# Altium PCB DevKitWRM1470-r1.2.PcbDoc (part 2 of 2)
Units mm, origin at the board's own origin, x right, y up, seen from the top; angles counter-clockwise.
Board outline 101.01 x 77.01 mm, 4 copper layers (Top Layer, GND, PWR, Bottom Layer), stack 1.572 mm thick; 154 components, 87 nets, 458 pads, 290 vias.
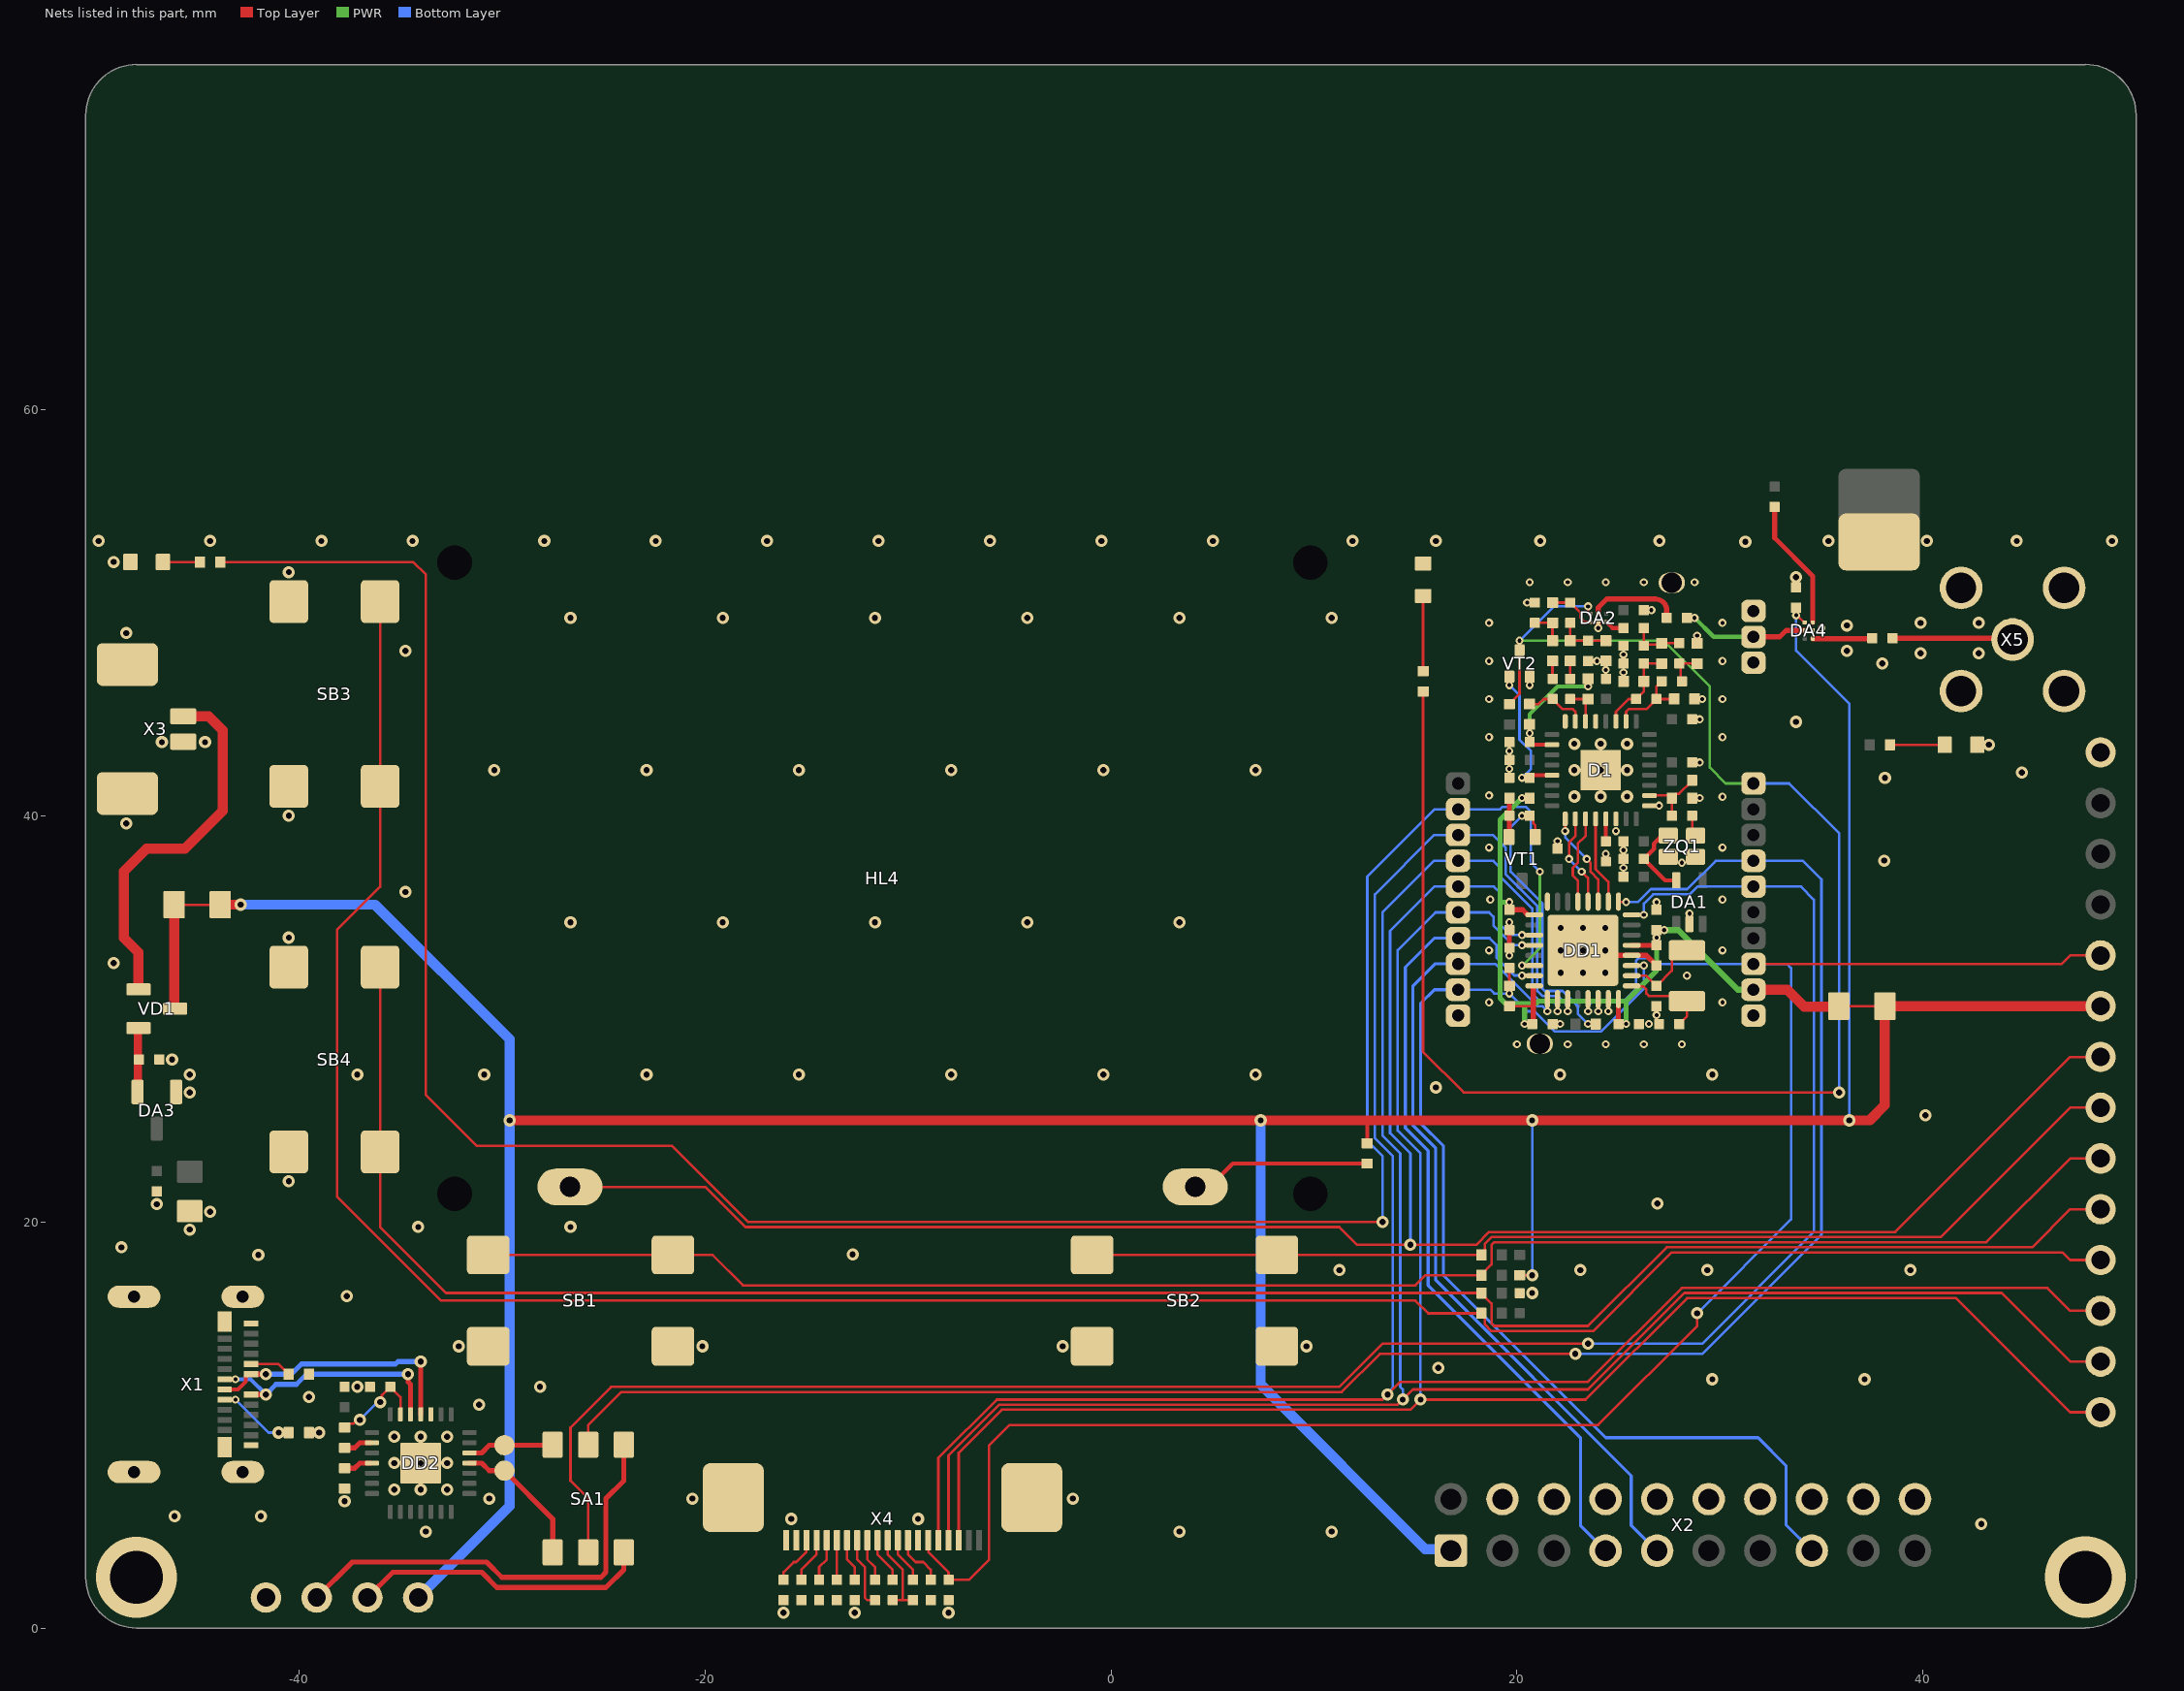
[diagram p4: the nets of this part, all layers, seen from the top]

## Via types
v1: diameter 0.6, hole 0.3, Top Layer to Bottom Layer, tented both sides, 173 vias
v2: diameter 0.4, hole 0.2, Top Layer to Bottom Layer, tented both sides, 113 vias
v3: diameter 4, hole 2.6, Top Layer to Bottom Layer, 4 vias

## Nets (pads, with @x,y where several pads share a name; then routed paths per layer and width w, separated by ;. In a path a pad name is that pad's centre, name@x,y a point inside that pad or via, vN(x,y) a via of type N, cw(c..) or ccw(c..) an arc to the next point about the centre after c; other vN are vias at no path point) (continued)
GND: C1.1 C2.1 C4.2 C5.1 C6.2 C7.1 C8.2 C9.1 C10.2 C11.1 C12.2 C13.1 C14.2 C15.1 C16.1 C17.1 C19.1 C20.2 C21.2 C24.1 C27.1 C28.1 C29.2 C34.1 C35.1 C36.2 C37.1 C38.1 C39.1 C40.1 C41.1 C45.1 C46.1 C47.1 C48.1 C49.1 C50.1 C52.1 D1.14 D1.17 D1.29 D1.32 D1.33 DA1.2 DA2.2 DA3.1 DA4.2 DD1.4 DD1.16 DD1.30 DD1.31 DD1.33 DD2.3 DD2.29 E1.1 HL1.2 HL2.2 HL3.2 L1.2 L2.1 L7.1 L10.1 NT1.2 R3.1 R4.2 R13.1 R19.2 SB1.3 SB1.4 SB2.3 SB2.4 SB3.3 SB3.4 SB4.3 SB4.4 VT2.2 X1.A1 X1.A12 X1.B1 X1.B12 X1.S1 X1.S2 X2.4 X2.6 X2.8 X2.10 X2.12 X2.14 X2.16 X2.18 X2.20 X3.2 X3.3 X4.7 X4.19 X4.20 X4.21 X5.2 XT10.1 XT11.1 XT21.1 XT23.1 XT27.1 XT28.1 ZQ1.1 ZQ1.2 | length 5.1
  Top Layer w0.25: C4.2@19.625,33.5 C14.2@19.625,34.375 ; v1(23.25,33.375) 23.5,33.125 DD1.4@25.65,33.125 26.375,33.125 C8.2@26.875,32.625 ; v2(24,49.25) DA2.2@24,49.55
  other v1: -16.125,0.75 -12.625,0.75 -8,0.75 -33.75,4.75 3.375,4.75 10.875,4.75 42.875,5.125 -15.75,5.375 -9.5,5.375 -46.125,5.5 -41.875,5.5 -37.75,6.25 -30.625,6.375 -20.625,6.375 -1.875,6.375 -35.3,6.825 -34,6.825 -32.7,6.825 -35.3,8.125 -34,8.125 -32.7,8.125 -35.3,9.425 -34,9.425 -32.7,9.425 -39,9.625 -31.125,11 -39.5,11.375 -37.125,11.875 -28.125,11.875 29.625,12.25 37.125,12.25 16.125,12.812 -32.125,13.875 -20.125,13.875 -2.375,13.875 9.625,13.875 -37.647,16.343 20.75,16.5 11.25,17.625 23.125,17.625 29.375,17.625 39.375,17.625 -42,18.375 -12.725,18.4 -48.75,18.75 -45.375,19.625 -34.125,19.75 -26.625,19.75 -44.375,20.5 -47,20.875 26.919,20.9 -40.5,22 40.125,25.25 -45.375,26.375 16,26.625 -45.375,27.25 -37.125,27.25 -30.875,27.25 -22.875,27.25 -15.375,27.25 -7.875,27.25 -0.375,27.25 7.125,27.25 22.125,27.25 29.625,27.25 -46.25,28 22.15,32.275 23.25,32.275 24.35,32.275 -49.125,32.75 22.15,33.375 24.35,33.375 -40.5,34 22.15,34.475 23.25,34.475 24.35,34.475 -26.625,34.75 -19.125,34.75 -11.625,34.75 -4.125,34.75 3.375,34.75 -34.75,36.25 38.091,37.795 -48.5,39.625 -40.5,40 22.825,40.95 24.125,40.95 25.425,40.95 38.125,41.875 44.875,42.125 -30.375,42.25 -22.875,42.25 -15.375,42.25 -7.875,42.25 -0.375,42.25 7.125,42.25 22.825,42.25 24.125,42.25 25.425,42.25 43.25,43.5 22.825,43.55 24.125,43.55 25.425,43.55 -46.75,43.625 -44.625,43.625 33.75,44.625 38,47.5 39.875,48 42.75,48 -34.75,48.125 36.25,48.125 -48.5,49 36.25,49.375 39.875,49.5 42.75,49.5 -26.625,49.75 -19.125,49.75 -11.625,49.75 -4.125,49.75 3.375,49.75 10.875,49.75 33.75,51.75 -40.5,52 -49.125,52.5 31.25,53.5 -49.871,53.534 -44.382,53.534 -38.893,53.534 -34.403,53.534 -27.914,53.534 -22.425,53.534 -16.936,53.534 -11.447,53.534 -5.958,53.534 -0.468,53.534 5.021,53.534 11.896,53.534 15.999,53.534 21.146,53.534 27.021,53.534 35.342,53.534 40.192,53.534 44.617,53.534 49.317,53.534
  other v2: 20,28.75 22.5,28.75 24.375,28.75 26.25,28.75 28.125,28.75 22.125,29.75 26.5,29.75 26.875,30.188 24,30.375 24.5,30.375 18.625,30.812 30.125,30.812 28.375,32.125 19.625,33.125 18.625,33.375 30.125,33.375 19.625,34.75 28.5,35.187 26.875,35.75 18.688,35.875 30.125,35.875 25.25,37.438 28.125,37.688 24.375,38.125 25.25,38.313 18.625,38.437 30.125,38.437 22,38.75 24.875,39.25 27,40.5 29,40.875 30.125,40.938 18.625,41 19.625,42.313 29,42.625 19.625,43.188 18.625,43.875 30.125,43.875 29,44.75 18.625,45.75 29.125,45.75 30.125,45.75 20.625,46.437 25.25,47.063 24.375,47.188 18.625,47.625 23.937,47.625 30.125,47.625 25.25,47.938 28.875,48.875 35,49.25 18.625,49.5 30.125,49.5 26.625,50.125 20.5,50.5 20.625,51.5 22.5,51.5 24.375,51.5 26.25,51.5 28.75,51.5
  other v3: -48,2.5 48,2.506
I2C1_SCL: DD1.19 HL4.K XT5.1 XT34.1 | length 105.6
  Top Layer w0.125: HL4.K@-26.65,21.725 -19.975,21.725 -18,19.75 11.25,19.75 12.125,18.875 v1(14.75,18.875) 18,18.875 18.625,19.5 38.625,19.5 47.25,28.125 XT34.1@48.75,28.125
  Bottom Layer w0.125: v1(14.75,18.875) 14.75,23.375 13.75,24.375 13.75,34.335 15.93,36.515 XT5.1@17.1,36.515 18.86,36.515 19.188,36.187 19.188,34.625 19.687,34.125 v2(20.25,34.125)
I2C1_SDA: DD1.20 X4.3 XT6.1 XT41.1 | length 96.4
  Top Layer w0.125: X4.3@-7.5,4.375 -7.5,8.625 -5.375,10.75 14.75,10.75 v1(15.25,11.25) 23.377,11.25 28.377,16.25 41.625,16.25 47.25,10.625 XT41.1@48.75,10.625
  Bottom Layer w0.125: v1(15.25,11.25) 15.25,23.375 14.125,24.5 14.125,33.38 15.99,35.245 XT6.1@17.1,35.245 18.63,35.245 18.839,35.036 18.839,34.599 19.812,33.625 v2(20.25,33.625)
LCD_MOSI: DD1.27 X4.5 XT3.1 XT39.1 | length 108
  Top Layer w0.125: X4.5@-8.5,4.325 -8.5,8.375 -5.625,11.25 13.375,11.25 v1(13.625,11.5) 14.25,12.125 23.5,12.125 28.125,16.75 46.125,16.75 47.25,15.625 XT39.1@48.75,15.625
  Bottom Layer w0.125: v1(13.625,11.5) 13.625,11.561 13.875,11.811 13.875,23.25 13,24.125 13,36.125 15.93,39.055 XT3.1@17.1,39.055 18.82,39.055 19.437,38.438 19.437,37.125 21,35.563 21,31.375 21.25,31.125 22,31.125 22.476,30.649 22.476,30.399 v2(22.5,30.375)
LCD_PWR: C48.2 DD1.29 X4.6 XT13.1 XT31.1 | length 96.6
  Top Layer w0.125: X4.6@-9,4.325 -9,3.75 -8,2.75 C48.2@-8,2.375 -7,2.375 -6,3.375 -6,9 -5,10 24,10 28.875,14.875 v1(28.875,15.5) ; XT13.1@31.65,32.705 46.83,32.705 47.25,33.125 XT31.1@48.75,33.125
  Bottom Layer w0.125: v2(23.5,30.375) 23.5,30.625 23.75,30.875 25.25,30.875 25.875,31.5 25.875,32.875 26,33 26.5,33 26.795,32.705 XT13.1@31.438,32.705 ; v1(28.875,15.5) 33.5,20.125 33.5,32.5 33.295,32.705 XT13.1@31.65,32.705
LCD_SCK: DD1.26 X4.4 XT4.1 XT40.1 | length 105.6
  Top Layer w0.125: X4.4@-8,4.375 -8,8.5 -5.5,11 14.125,11 v1(14.375,11.25) 14.875,11.75 23.5,11.75 28.25,16.5 43.875,16.5 47.25,13.125 XT40.1@48.75,13.125
  Bottom Layer w0.125: v1(14.375,11.25) 14.375,11.75 14.25,11.875 14.25,23.375 13.375,24.25 13.375,35.25 15.91,37.785 XT4.1@17.1,37.785 18.84,37.785 19.156,37.469 19.156,37.031 20.75,35.438 20.75,31.25 21.125,30.875 21.75,30.875 22,30.625 v2(22,30.375)
LDO_PA: C19.2 D1.2 L3.2 L4.1 | length 6.4
  Top Layer w0.2: L3.2@20.625,44.5 C19.2@20.625,43.625 20.75,43.5 D1.2@21.725,43.5
  PWR w0.2: v2(20.625,44.063) 20.625,45 22,46.375 v2(23.5,46.375)
LPUART1_RX: DD1.9 SA1.2 XT17.1 | length 94.1
  Top Layer w0.125: SA1.2@-25.75,9.025 -25.75,10 -24.125,11.625 11.375,11.625 ; 11.372,11.622 13.25,13.5 v1(22.875,13.5) ; DD1.9@25,35.775 25.025,35.75 v2(25.375,35.75)
  Bottom Layer w0.125: v1(22.875,13.5) 29.125,13.5 35,19.375 35,36.873 34.088,37.785 XT17.1@31.65,37.785 ; v2(25.375,35.75) 25.957,35.75 26.595,36.388 28.387,36.388 29.785,37.785 XT17.1@31.438,37.785
LPUART1_TX: DD1.8 SA1.5 XT16.1 | length 97.4
  Top Layer w0.125: SA1.5@-25.75,3.725 -25.75,6.375 -26.625,7.25 -26.625,9.875 -24.625,11.875 11.25,11.875 13.375,14 v1(23.5,14)
  Bottom Layer w0.125: v1(23.5,14) 29.125,14 34.625,19.5 34.625,35.875 34,36.5 ; v2(26.25,35.125) 26.25,35.673 26.714,36.138 28.512,36.138 28.89,36.515 XT16.1@31.438,36.515 ; XT16.1@31.65,36.515 34,36.515
NetC2_2: C2.2 DA1.5 ZQ1.4 | length 3.9
  Top Layer w0.2: ZQ1.4@27.45,39.025 27.15,39.025 26.75,38.625 26.75,38.375 C2.2@26.25,37.875 27.3,36.825 DA1.5@27.85,36.825
NetC3_1: C3.1 ZQ1.3 | length 1
  Top Layer w0.125: C3.1@28.625,40 28.637,39.988 28.637,39.188 ZQ1.3@28.8,39.025
NetC3_2: C3.2 D1.18 R2.1 R3.2 | length 3.4
  Top Layer w0.125: D1.18@26.5,41 27.5,41 R3.2@27.625,40.875 ; C3.2@27.625,40 R3.2@27.625,40.875 ; R2.1@28.625,41.75 28.625,41.725 27.988,41.088 27.812,41.088 27.625,40.9 R3.2@27.625,40.875
NetC15_2: C15.2 D1.13 | length 1.1
  Top Layer w0.2: C15.2@24.375,38.75 D1.13@24.375,39.85
NetC18_1: C18.1 C24.2 D1.27 L1.1 L6.1 | length 4.5
  Top Layer w0.125: D1.27@24.875,44.65 24.875,45.125 25.5,45.75 C18.1@25.875,45.75 26.25,46.125 L1.1@26.25,46.625 C24.2@26.25,47.5 L6.1@27.125,47.5
NetC18_2: C18.2 C23.1 D1.26 L2.2 | length 4.1
  Top Layer w0.125: D1.26@25.375,44.65 25.375,45.125 25.5,45.25 26.375,45.25 C18.2@26.875,45.75 ; C23.1@27.125,46.625 26.875,46.375 C18.2@26.875,45.75 ; L2.2@27.75,45.75 C18.2@26.875,45.75
NetC20_1: C20.1 DD1.1 ZQ2.1 | length 4.4
  Top Layer w0.125: DD1.1@25.65,31.625 25.671,31.604 26.221,31.604 26.375,31.45 26.375,31.25 26.5,31.125 28.125,31.125 ZQ2.1@28.375,30.875 28.375,30.125 C20.1@28,29.75
NetC21_1: C21.1 DD1.2 ZQ2.3 | length 4
  Top Layer w0.125: DD1.2@25.65,32.125 26.375,32.125 C21.1@26.875,31.625 27.625,32.375 27.625,32.942 28.058,33.375 ZQ2.3@28.375,33.375
NetC22_1: C22.1 D1.31 L3.1 | length 3.1
  Top Layer w0.125: L3.1@20.625,45.5 21.062,45.5 21.313,45.75 C22.1@21.75,45.75 22.25,45.25 22.75,45.25 22.875,45.125 D1.31@22.875,44.65
NetC22_2: C22.2 L5.1 | length 0.9
  Top Layer w0.125: C22.2@21.75,46.75 L5.1@21.75,47.625
NetC23_2: C23.2 C26.1 L7.2 | length 1.8
  Top Layer w0.125: C23.2@28.125,46.625 28.062,46.688 28.062,47.438 C26.1@28,47.5 L7.2@28.875,47.5
NetC25_1: C25.1 D1.30 L4.2 | length 2
  Top Layer w0.125: C25.1@22.625,45.75 L4.2@23.5,45.75 23.375,45.625 D1.30@23.375,44.65
NetC25_2: C25.2 L8.1 | length 0.9
  Top Layer w0.125: C25.2@22.625,46.75 L8.1@22.625,47.625
NetC26_2: C26.2 C28.2 C32.1 L6.2 | length 2.7
  Top Layer w0.125: C32.1@26.25,49.25 C28.2@26.25,48.375 26.306,48.431 27.056,48.431 L6.2@27.125,48.5 C26.2@28,48.5
NetC27_2: C27.2 L5.2 L9.1 | length 1.8
  Top Layer w0.125: C27.2@20.875,49.5 L9.1@21.75,49.5 L5.2@21.75,48.625
NetC29_1: C29.1 C30.1 L8.2 L10.2 | length 2.6
  Top Layer w0.125: C30.1@22.625,49.5 L8.2@22.625,48.625 C29.1@23.5,48.625 L10.2@24.375,48.625
NetC30_2: C30.2 DA2.1 L9.2 | length 2.4
  Top Layer w0.125: L9.2@21.75,50.5 C30.2@22.625,50.5 23.125,50 23.125,49.75 23.325,49.55 DA2.1@23.6,49.55
NetC31_1: C31.1 R5.2 VT1.1 | length 13.7
  Top Layer w0.125: C31.1@20.625,40 20.812,39.812 20.812,39.625 20.9,39.537 VT1.1@20.9,38.95
  Bottom Layer w0.125: v2(20.25,40) 19.687,39.438 19.687,37.25 21.25,35.688 21.25,31.5 21.375,31.375 22.25,31.375 23,30.625 23,30.25 v2(23.5,29.75)
NetC31_2: C31.2 R6.2 VT1.2 | length 1.9
  Top Layer w0.25: VT1.2@19.6,38.95 19.625,38.975 R6.2@19.625,40.875
NetC32_2: C32.2 DA2.3 | length 1
  Top Layer w0.2: DA2.3@24.4,49.55 24.7,49.25 C32.2@25.25,49.25
NetC33_1: C33.1 DA2.5 | length 4.5
  Top Layer w0.25: DA2.5@24,49.95 24,50.25 24.425,50.675 26.825,50.675 cw(c26.825,50.125) 27.375,50.125 C33.1@27.375,49.75
NetC33_2: C33.2 DA4.5 XT22.1 | length 5.9
  Top Layer w0.25: XT22.1@31.65,48.815 32.94,48.815 33.25,49.125 DA4.5@34.175,49.125
  PWR w0.2: v2(28.75,49.75) 29.685,48.815 XT22.1@31.65,48.815
NetC39_2: C39.2 DA3.2 VD1.2 | length 3.2
  Top Layer w0.4: DA3.2@-47.95,26.4 -47.925,26.425 -47.925,29.525 VD1.2@-47.9,29.55
NetC42_1: C42.1 C43.1 X4.10 | length 4.5
  Top Layer w0.125: X4.10@-11,4.325 -11,3.625 -10.25,2.875 -10.25,1.375 ; C43.1@-10.875,1.375 C43.1@-10.75,1.375 -10.25,1.375 ; C42.1@-9.625,1.375 C42.1@-9.75,1.375 -10.25,1.375
NetC42_2: C42.2 X4.9 | length 2.3
  Top Layer w0.125: X4.9@-10.5,4.325 -10.5,3.625 -9.75,2.875 C42.2@-9.75,2.375
NetC43_2: C43.2 X4.11 | length 2.3
  Top Layer w0.125: X4.11@-11.5,4.325 -11.5,3.625 -10.75,2.875 C43.2@-10.75,2.375
NetC44_1: C44.1 X4.12 | length 2.1
  Top Layer w0.125: X4.12@-12,4.325 -12,3.375 -11.625,3 C44.1@-11.625,2.375
NetC44_2: C44.2 X4.13 | length 3.5
  Top Layer w0.125: X4.13@-12.5,4.325 -12.5,3.375 -12.125,3 -12.125,1.5 -12,1.375 C44.2@-11.625,1.375
NetC45_2: C45.2 X4.18 | length 2.5
  Top Layer w0.125: C45.2@-16.125,2.375 -16.125,2.75 -15.625,3.25 -15.5,3.25 -15,3.75 X4.18@-15,4.325
NetC46_2: C46.2 X4.8 | length 2.6
  Top Layer w0.125: X4.8@-10,4.325 -10,3.625 -9.625,3.25 -9.25,3.25 -8.875,2.875 C46.2@-8.875,2.375
NetC47_2: C47.2 X4.17 | length 2.3
  Top Layer w0.125: C47.2@-15.25,2.375 -15.25,2.875 -14.5,3.625 X4.17@-14.5,4.275 ; X4.17@-14.525,4.3 X4.17@-14.5,4.275 ; X4.17@-14.5,4.325 X4.17@-14.5,4.275
NetC49_2: C49.2 X4.16 | length 2.1
  Top Layer w0.125: C49.2@-14.375,2.375 -14.375,3 -14,3.375 X4.16@-14,4.325
NetC50_2: C50.2 X4.15 | length 1.9
  Top Layer w0.125: C50.2@-13.5,2.375 X4.15@-13.5,4.325
NetC51_1: C51.1 DA4.1 | length 2.9
  Top Layer w0.25: DA4.1@34.575,48.725 37.475,48.725 C51.1@37.5,48.75
NetC51_2: C51.2 X5.1 | length 5.9
  Top Layer w0.25: C51.2@38.5,48.75 44.351,48.75 X5.1@44.417,48.684
NetC52_2: C52.2 X4.14 | length 2.1
  Top Layer w0.125: X4.14@-13,4.325 -13,3.375 -12.625,3 C52.2@-12.625,2.375
NetC53_1: C53.1 DA4.3 | length 6.5
  Top Layer w0.25: C53.1@32.692,55.209 32.692,53.683 34.575,51.8 DA4.3@34.575,49.525
NetDD2_9: DD2.9 R12.1 | length 1.4
  Top Layer w0.25: R12.1@-37.75,8.875 -37.25,8.875 -37,9.125 DD2.9@-36.475,9.125
NetDD2_11: DD2.11 R13.2 | length 1.4
  Top Layer w0.25: R13.2@-37.75,7.875 -37.25,7.875 -37,8.125 DD2.11@-36.475,8.125
NetDD2_25: DD2.25 pad.1@-29.875,7.75 SA1.6 | length 6.9
  Top Layer w0.25: DD2.25@-31.6,8.125 -31,8.125 -30.625,7.75 pad.1@-29.875,7.75 -27.5,5.375 SA1.6@-27.5,3.725
NetDD2_26: DD2.26 pad.1@-29.875,9 SA1.3 | length 4.3
  Top Layer w0.25: DD2.26@-31.6,8.625 -31,8.625 -30.625,9 pad.1@-29.875,9 SA1.3@-27.5,9
NetHL1_1: HL1.1 R15.2 | length 3.7
  Top Layer w0.125: R15.2@15.375,47.125 HL1.1@15.375,50.825
NetHL2_1: HL2.1 R16.2 | length 1.8
  Top Layer w0.125: HL2.1@-46.7,52.5 R16.2@-44.875,52.5
NetHL3_1: HL3.1 R17.2 | length 2.7
  Top Layer w0.125: R17.2@38.375,43.5 HL3.1@41.125,43.5
NetHL4_A: HL4.A R18.1 | length 9
  Top Layer w0.2: HL4.A@4.15,21.725 4.85,21.725 6,22.875 R18.1@12.625,22.875
NetR4_1: R4.1 X1.A5 | length 2.1
  Top Layer w0.125: X1.A5@-42.355,13 -41,13 R4.1@-40.5,12.5
NetR19_1: R19.1 X1.B5 | length 3.3
  Top Layer w0.125: v1(-41,9.625) R19.1@-40.5,9.625
  Bottom Layer w0.125: v2(-43.125,11.25) -41.5,9.625 v1(-41,9.625)
NetSA1_1: SA1.1 XT25.1 | length 22
  Top Layer w0.25: XT25.1@-39.125,1.5 -37.375,3.25 -30.75,3.25 -30,2.5 -25.125,2.5 -24.875,2.75 -24.875,6.375 -24,7.25 SA1.1@-24,9.025
NetSA1_4: SA1.4 XT26.1 | length 14.7
  Top Layer w0.25: XT26.1@-36.625,1.5 -35.375,2.75 -31,2.75 -30.25,2 -24.875,2 -24,2.875 SA1.4@-24,3.725
NetVD1_1: VD1.1 X3.1 | length 18.4
  Top Layer w0.5: VD1.1@-47.9,31.45 -47.9,33.275 -48.625,34 -48.625,37.25 -47.5,38.375 -45.625,38.375 -43.75,40.25 -43.75,44.201 -44.45,44.901 X3.1@-45.7,44.901
NRST: C4.1 DD1.3 R1.2 X2.15 XT9.1 | length 54.2
  Top Layer w0.125: R1.2@19.625,31.625 C4.1@19.625,32.5
  Bottom Layer w0.125: XT9.1@17.313,31.435 18.69,31.435 18.875,31.25 v2(19.625,31.25) 19.612,31.238 19.637,31.238 20.5,30.375 20.875,30.375 21.875,29.375 24.125,29.375 26.25,31.5 v2(26.25,32.625)
  Bottom Layer w0.15: XT9.1@17.1,31.435 15.93,31.435 15.25,30.755 15.25,24.875 16.375,23.75 16.375,17.375 24.375,9.375 31.875,9.375 33.25,8 33.25,5.086 X2.15@34.527,3.809
PA12: DD1.22 R16.1 XT2.1 | length 120.5
  Top Layer w0.125: R16.1@-43.875,52.5 -34.375,52.5 -33.75,51.875 -33.75,26.25 -31.25,23.75 -21.625,23.75 -17.875,20 v1(13.375,20)
  PWR w0.125: v2(20.25,32.625) 20.263,32.625 21.125,33.487 v2(21.125,37.25)
  Bottom Layer w0.125: v1(13.375,20) 13.375,23.25 12.625,24 12.625,36.998 15.952,40.325 XT2.1@17.1,40.325 ; XT2.1@17.313,40.325 19.17,40.325 19.282,40.437 20.438,40.437 20.687,40.188 20.687,37.687 v2(21.125,37.25)
RX_EN: C17.2 D1.5 VT2.1 | length 6.3
  Top Layer w0.2: C17.2@20.625,41.875 20.75,42 D1.5@21.725,42
  Bottom Layer w0.125: v2(19.625,46.437) 20.125,45.937 20.125,43.75 20.687,43.188 20.687,42.313 v2(20.25,41.875)
RX_NEN: DA2.6 R7.1 R15.1 VT2.3 XT20.1 | length 81
  Top Layer w0.125: R15.1@15.375,46.125 15.375,28.375 17.375,26.375 v1(35.875,26.375) ; R7.1@19.625,45.5 19.65,45.5 19.837,45.687 19.837,45.712 20.125,46 VT2.3@20.125,48.125 ; v2(23.5,50.313) 23.5,50.05 DA2.6@23.6,49.95
  PWR w0.125: v2(20.125,48.625) 27.25,48.625 29.5,46.375 29.5,42.375 30.28,41.595 XT20.1@31.437,41.595
  Bottom Layer w0.125: v2(20.125,48.625) 21.813,50.313 v2(23.5,50.313) ; XT20.1@31.65,41.595 33.405,41.595 35.875,39.125 v1(35.875,26.375)
SB1: R9.1 SB1.1 SB1.2 XT36.1 | length 83.2
  Top Layer w0.125: SB1.2@-30.675,18.375 SB1.1@-21.575,18.375 -19.625,18.375 -18.125,16.875 15,16.875 15.5,17.375 R9.1@18.25,17.375 ; R9.1@18.25,17.4 18.75,17.9 18.75,18.875 18.875,19 43.125,19 47.25,23.125 XT36.1@48.75,23.125
SB2: R10.1 SB2.1 SB2.2 XT35.1 | length 52.9
  Top Layer w0.125: SB2.2@-0.925,18.375 SB2.1@8.175,18.375 R10.1@18.25,18.375 18.413,18.537 18.413,18.913 18.75,19.25 40.875,19.25 47.25,25.625 XT35.1@48.75,25.625
SB3: R11.1 SB3.1 SB3.2 XT38.1 | length 121.8
  Top Layer w0.125: SB3.2@-36,50.55 SB3.1@-36,41.45 -36,36.5 -38.125,34.375 -38.125,21.25 -33,16.125 15,16.125 15.625,15.5 R11.1@18.25,15.5 18.413,15.337 18.413,14.962 18.75,14.625 23.75,14.625 27.625,18.5 46.875,18.5 47.25,18.125 XT38.1@48.75,18.125
SB4: R14.1 SB4.1 SB4.2 XT37.1 | length 102.5
  Top Layer w0.125: SB4.2@-36,32.55 SB4.1@-36,23.45 -36,19.75 -32.75,16.5 R14.1@18.25,16.5 ; R14.1@18.25,16.475 18.75,15.975 18.75,15 18.875,14.875 23.5,14.875 27.375,18.75 45.375,18.75 47.25,20.625 XT37.1@48.75,20.625
SPI1_MISO: D1.10 DD1.12 | length 4.6
  Top Layer w0.125: v2(22.562,37.875) 22.562,38.688 22.875,39 D1.10@22.875,39.85 ; v2(23.187,37.25) 23.5,36.938 DD1.12@23.5,35.775
  Bottom Layer w0.125: v2(22.562,37.875) v2(23.187,37.25)
SPI1_MOSI: D1.11 DD1.13 | length 4.5
  Top Layer w0.125: DD1.13@23,35.75 23,36.813 22.75,37.063 22.75,37.438 23,37.688 23,38.625 23.375,39 23.375,39.125 D1.11@23.375,39.85
SPI1_NSS: D1.12 DD1.10 | length 4.4
  Top Layer w0.125: D1.12@23.875,39.85 23.875,37.375 24.5,36.75 DD1.10@24.5,35.75
SPI1_SCK: D1.9 DD1.11 | length 4.7
  Top Layer w0.125: v2(22.375,39.25) D1.9@22.375,39.85 ; v2(23.437,37.875) 23.625,37.688 23.625,37.25 24,36.875 DD1.11@24,35.775
  Bottom Layer w0.125: v2(22.375,39.25) 22.375,38.938 v2(23.437,37.875)
SWCLK: DD1.25 X2.9 XT8.1 | length 40.6
  Bottom Layer w0.125: XT8.1@17.313,32.705 18.92,32.705 21,30.625 21.25,30.625 v2(21.5,30.375)
  Bottom Layer w0.15: XT8.1@17.1,32.705 15.95,32.705 14.875,31.63 14.875,24.75 16,23.625 16,17.125 25.625,7.5 25.625,5.046 X2.9@26.862,3.809
SWDIO: DD1.23 X2.7 XT7.1 | length 40.1
  Bottom Layer w0.125: XT7.1@17.313,33.975 18.65,33.975 19,33.625 19,33 19.862,32.138 20.237,32.138 v2(20.25,32.125) v2@20.237,32.112
  Bottom Layer w0.15: XT7.1@17.1,33.975 15.93,33.975 14.5,32.545 14.5,24.625 15.625,23.5 15.625,16.875 23.125,9.375 23.125,5.051 X2.7@24.367,3.809
USB_M: DD2.5 X1.A7 X1.B7 | length 12.5
  Top Layer w0.2: X1.B7@-43.625,12.25 v2(-43.125,12.25)
  Top Layer w0.25: X1.A7@-42.375,11.5 X1.A7@-42.355,11.5 v1(-41.625,11.5) ; v1(-34.625,12.5) -34.625,12.125 -34.5,12 DD2.5@-34.5,10.525
  Bottom Layer w0.2: v2(-43.125,12.25) -42.375,12.25 v1(-41.625,11.5)
  Bottom Layer w0.25: v1(-41.625,11.5) -41.125,12 -40.125,12 -39.625,12.5 v1(-34.625,12.5)
USB_P: DD2.4 X1.A6 X1.B6 | length 13
  Top Layer w0.2: X1.B6@-43.655,11.75 -43,11.75 -42.625,12.125 -42.625,12.375 -42.5,12.5 X1.A6@-42.375,12.5
  Top Layer w0.25: X1.A6@-42.355,12.5 v1(-41.625,12.5) ; DD2.4@-34,10.5 DD2.4@-34,10.525 v1(-34,13.125)
  Bottom Layer w0.25: v1(-41.625,12.5) -40.375,12.5 -39.875,13 -35.25,13 -35.125,13.125 v1(-34,13.125)
VCC_M: C6.1 C8.1 C10.1 C12.1 C14.1 C41.2 DA4.4 DD1.5 DD1.17 DD1.24 DD1.32 R1.1 R6.1 R8.2 R18.2 SB5.1 SB5.2 SB6.1 SB6.2 VD1.3 X2.1 XT12.1 XT24.1 XT32.1 | length 242
  Top Layer w0.125: SB5.1@-46.137,35.613 SB5.2@-43.875,35.625 ; R1.1@19.625,30.625 20.8,30.625 ; R8.2@20.125,17.375 v1(20.75,17.375) ; v2(33.75,49.875) DA4.4@34.175,49.525 ; SB6.1@35.875,30.609 SB6.2@38.125,30.622
  Top Layer w0.2: R18.2@12.625,23.875 12.625,25
  Top Layer w0.25: C14.1@19.625,35.375 20.281,35.375 20.531,35.125 DD1.17@20.85,35.125 ; C12.1@20.75,29.75 20.8,29.8 20.8,30.625 20.8,31.625 DD1.24@20.85,31.625 ; C10.1@25,29.75 DD1.32@25,31 ; DD1.5@25.65,33.625 26.25,33.625 C8.1@26.875,33.625 v2(26.875,34) C6.1@26.875,34.375
  Top Layer w0.5: VD1.3@-46.137,30.5 SB5.1@-46.137,35.613 ; SB5.2@-43.875,35.625 v1(-42.875,35.625) ; v1(-29.625,25) v1(7.375,25) 12.625,25 v1(36.375,25) 37.375,25 38.125,25.75 38.125,30.622 SB6.2@38.125,30.625 XT32.1@48.75,30.625 ; XT12.1@31.65,31.435 33.315,31.435 34.141,30.609 35.834,30.609 SB6.1@35.85,30.625
  PWR w0.25: 19.187,35.75 v2(19.625,35.75) ; v2(20.25,40.875) 19.175,39.8 19.175,31.013 19.437,30.75 20.375,30.75 ; v2(20.375,29.75) 20.375,30.75 ; v2(25.375,29.75) 25.375,30.875 ; v2@26.875,33.937 26.875,32.375 25.375,30.875 ; 20.375,30.75 20.938,30.75 21.062,30.875 25.375,30.875
  PWR w0.3: v2(27.25,34.375) 27.938,34.375 30.877,31.435 XT12.1@31.65,31.435
  Bottom Layer w0.125: v1(20.75,17.375) v1(20.75,25) ; v2(33.75,49.875) 33.75,48.125 36.375,45.5 v1(36.375,25)
  Bottom Layer w0.5: v1(-42.875,35.625) -36.25,35.625 -29.625,29 v1(-29.625,25) -29.625,6 XT24.1@-34.125,1.5 ; v1(7.375,25) 7.375,12 15.49,3.885 16.671,3.885 X2.1@16.747,3.809
VDD_CP2102: C38.2 DD2.6 R12.2 | length 4.7
  Top Layer w0.125: R12.2@-37.75,9.875 -37.563,10.062 -37.316,10.062 -37.129,10.25 v1(-37,10.25) ; v1(-36,11.125) -35.909,11.216 -35.909,11.466 C38.2@-35.5,11.875 -35,11.375 DD2.6@-35,10.6
  Bottom Layer w0.125: v1(-37,10.25) -36.125,11.125 v1(-36,11.125)
pads on no net: D1.1 D1.6 D1.7 D1.16 D1.22 D1.23 D1.24 DA1.4 DD2.1 DD2.2 DD2.10 DD2.12 DD2.13 DD2.14 DD2.15 DD2.16 DD2.17 DD2.18 DD2.19 DD2.20 DD2.21 DD2.22 DD2.23 DD2.24 DD2.27 DD2.28 HL4. X1.A2 X1.A3 X1.A8 X1.A10 X1.A11 X1.B2 X1.B3 X1.B8 X1.B10 X1.B11 X2.2 X2.3 X2.5 X2.11 X2.13 X2.17 X2.19
copper on no net:
  other v3: -48,74.5 48,74.506

## Polygon pours and split planes (outlines as drawn)
GND on Bottom Layer "Bot-Modul-GND" (solid, pour order 3): 17.25,52.5 17.25,27.75 31.5,27.75 31.5,52.5
GND on Bottom Layer "Bot-GND" (solid, pour order 0): -48,0 cw(c-48,2.5) -50.5,2.5 -50.504,53.833 50.5,53.841 50.5,2.506 cw(c48,2.506) 48,0.006
GND on Top Layer "Top-Modul-GND" (solid, pour order 2): 17.25,52.5 17.25,27.75 31.5,27.75 31.5,52.5
GND on Top Layer "Top-GND" (solid, pour order 1): -48,0 cw(c-48,2.5) -50.5,2.5 -50.504,53.833 50.5,53.841 50.5,2.506 cw(c48,2.506) 48,0.006
GND on PWR "PWR-Modul-GND" (solid, pour order 4): 17.25,52.5 17.25,27.75 31.5,27.75 31.5,52.5
GND on GND (split plane): 49.99,2.506 49.991,2.49 49.982,2.311 49.954,2.117 49.906,1.928 49.84,1.744 49.757,1.567 49.656,1.399 49.54,1.242 49.408,1.098 49.264,0.966 49.107,0.85 48.939,0.749 48.762,0.666 48.578,0.6 48.389,0.552 48.195,0.524 48.016,0.515 48,0.517 47.939,0.51 -48,0.51 -48.016,0.509 -48.195,0.518 -48.389,0.546 -48.578,0.594 -48.762,0.66 -48.939,0.743 -49.107,0.844 -49.264,0.96 -49.408,1.092 -49.54,1.236 -49.656,1.393 -49.757,1.561 -49.84,1.738 -49.906,1.922 -49.954,2.111 -49.982,2.305 -49.991,2.484 -49.99,2.5 -49.993,53.833 49.99,53.841

## Keep-outs
Keep-Out Layer:
  lines w0.1: -50.505,74.501 -50.5,2.5 ccw(c-48,2.5) -48,0 48,0 ; -50.5,74.501 cw(c-48,74.501) -48,77.001 ; -48.005,77.001 48,77.001 ; 48,0.006 ccw(c48,2.506) 50.5,2.506 50.5,74.507 ccw(c48,74.507) 48,77.007

## Other copper
Top Layer:
  region net ANT_PCB: 31.192,56.945 29.242,60.445 29.242,75.434 -23.758,75.434 cw(c-23.758,76.034) -24.358,76.034 cw(c-23.758,76.034) -23.758,76.634 39.842,76.643 39.842,53.834 35.842,53.834 35.842,72.634 32.242,72.634 32.242,61.224 33.809,58.41 34.192,57.343 34.192,56.234 31.192,56.234
  region: 3755 vertices and 7 holes, not listed, extent -29.979,58.756 -22.525,71.088
  text "WRM1470" at 17.75,56.75 h3
  text "DevKitWRM1470-r1.2" at 17.375,22.225 h1
  text "25.05.20" at 17.525,20.75 h1
GND (plane layer: these items are gaps in the copper):
  pour cut-out: -50.504,53.833 50.5,53.841 50.5,75.625 49.125,77 -49.219,77 -50.5,75.536

## Silkscreen, mask and mechanical layers (free items; w line width, h text height)
Top Overlay:
  drawing of 12 lines, arcs and shapes, not listed
  text "NB-Fi Development Kit" at -18.625,56.75 h4
  text "Tx" at 14.625,53.625 h1
  text "EXT ANT" at 41.25,52.875 h1
  text "23" at 31.45,50.95 h0.5 r90
  text "POWER" at -49.65,50.625 h1
  text "21" at 31.45,46 h0.5 r90
  text "1" at 17.813,42.5 h0.5 r90
  text "20" at 31.438,42.5 h0.5 r90
  text "EXT BAT" at -49.875,38.625 h1
  text "10" at 17.813,28.625 h0.5 r90
  text "11" at 31.375,28.625 h0.5 r90
  text "DEBUG" at 32.25,10.375 h1
  text "1" at -29.375,4.625 h1
  text "2" at -22.5,4.625 h1
Bottom Overlay:
  drawing of 6 lines, arcs and shapes, not listed
Top Solder:
  region: 3755 vertices and 7 holes, not listed, extent -29.979,58.756 -22.525,71.088
  text "WRM1470" at 17.75,56.75 h3
  text "DevKitWRM1470-r1.2" at 17.375,22.225 h1
  text "25.05.20" at 17.525,20.75 h1
Top Courtyard:
  lines w0.05: 24.25,27.625 24.5,27.625 ; 24.375,27.5 24.375,27.75
  lines w0.1: 34.192,56.234 ccw(c34.192,56.234) 34.192,56.234 ; 34.192,56.234 31.192,56.234 31.192,56.945 29.242,60.445 29.242,75.434 -23.758,75.434 cw(c-23.758,76.034) -24.358,76.034 cw(c-23.758,76.034) -23.758,76.634 39.842,76.643 39.842,53.834 35.842,53.834 35.842,72.634 32.242,72.634 32.242,61.224 33.809,58.41 34.192,57.343 ; 34.192,56.234 34.192,57.343 ; 34.192,57.343 ccw(c34.192,57.343) 34.192,57.343 ; 34.192,56.609 ccw(c34.192,56.609) 34.192,56.609
  lines w0.125: 23.75,40.125 25,40.125 ; 24.375,39.5 24.375,40.75